# KiCad board main_display_board.kicad_pcb (continued)
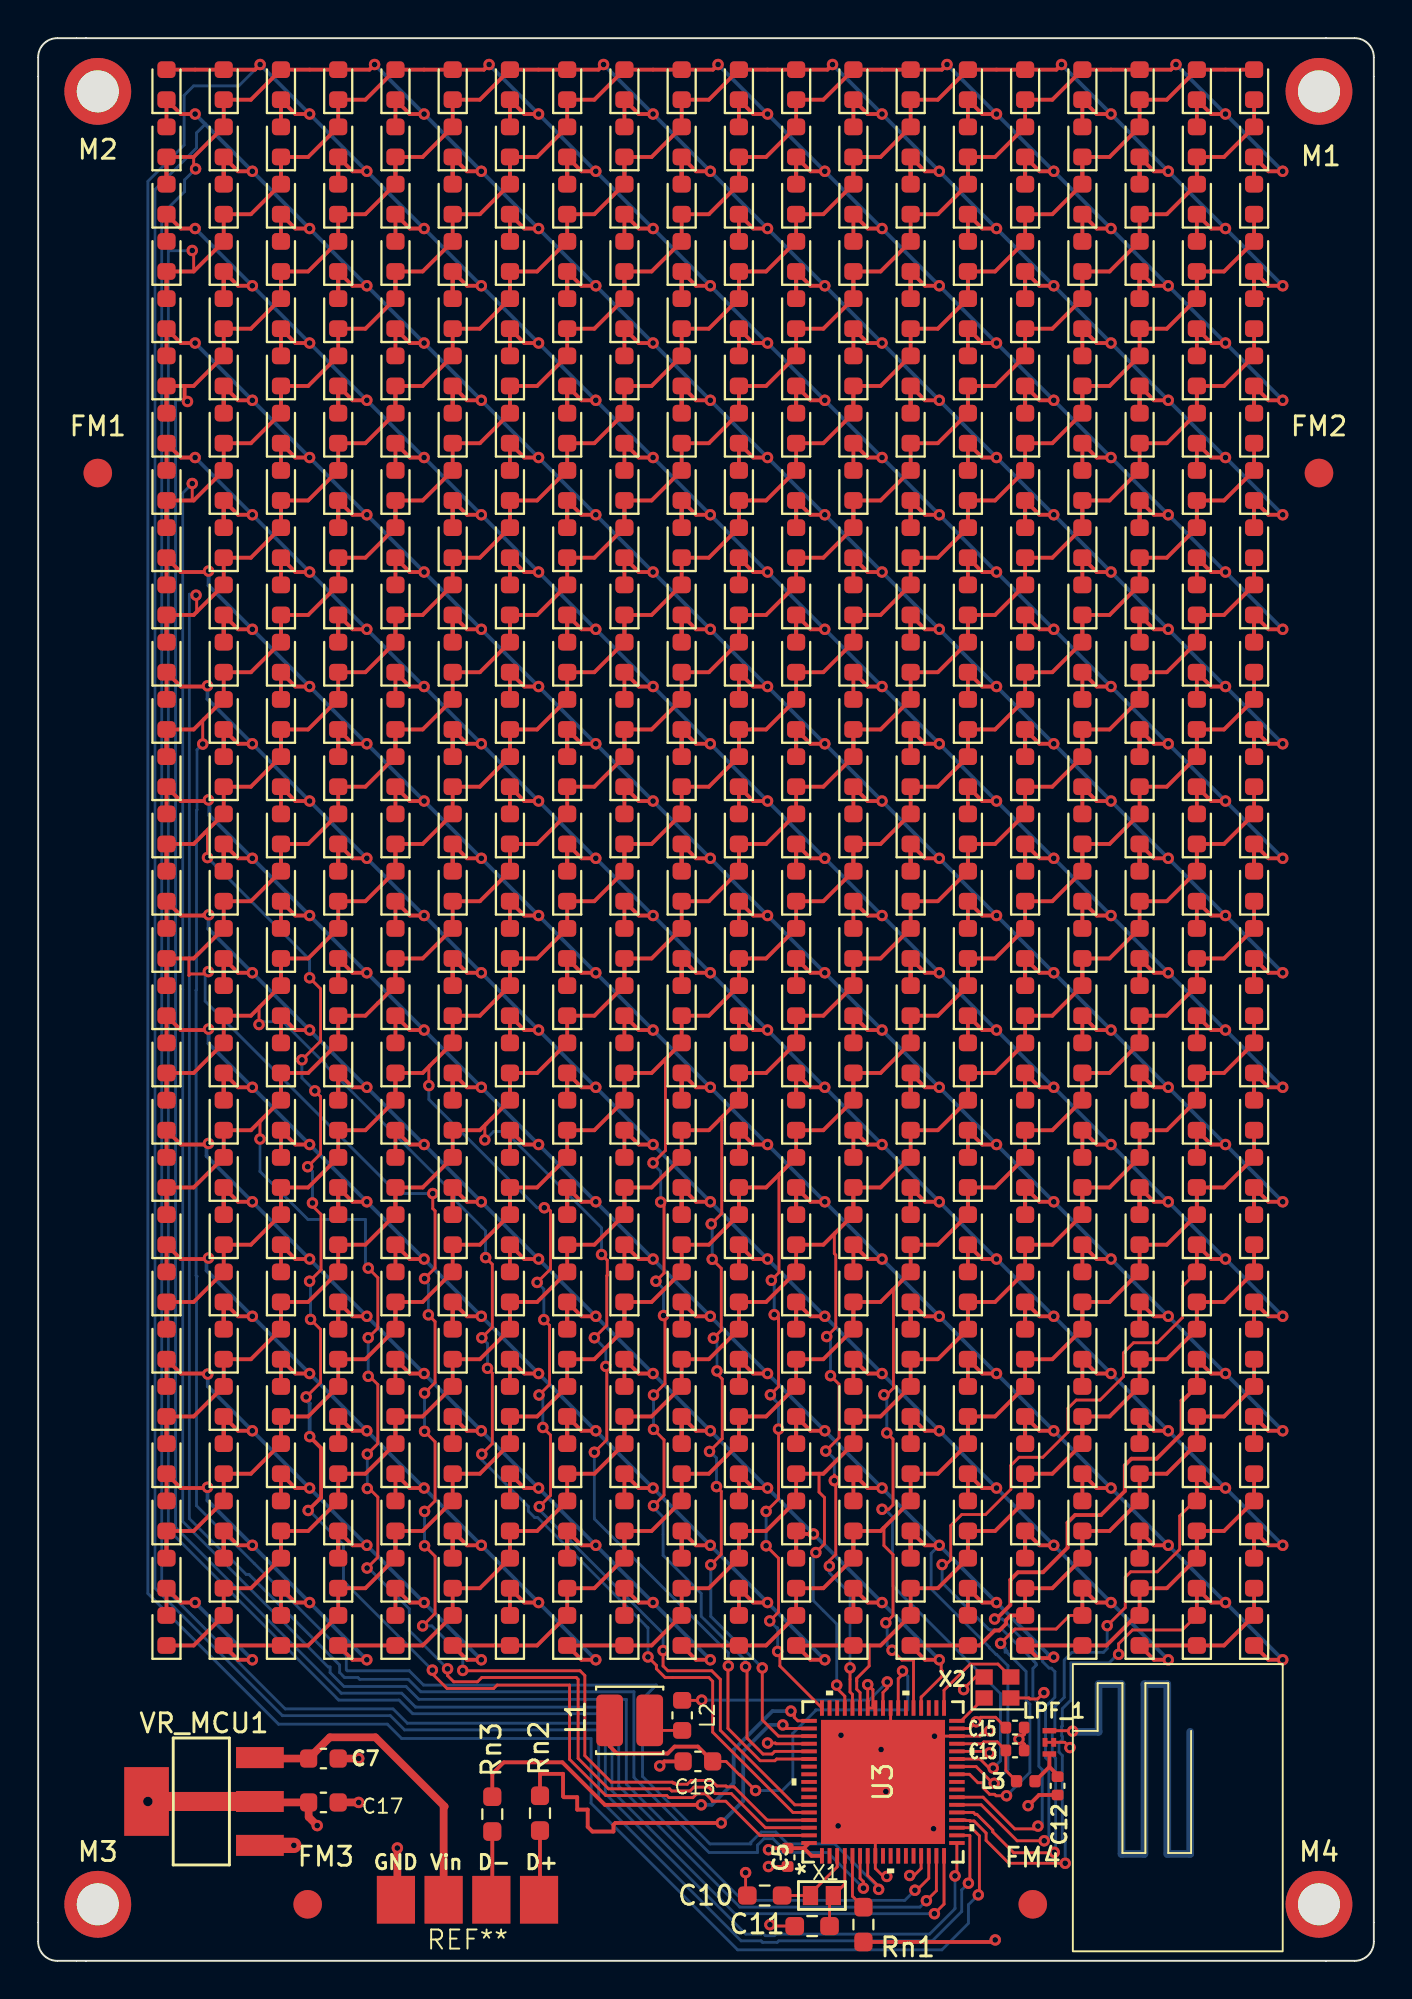
[diagram p0: board, top side]
## Routing (per net, layer and track width the routed paths; a pad name or vN(x,y) marks a point on that pad's centre or on a via; arc(x,y) is an arc through that point) (continued)
  Bottom w0.15: v1(35.32,36.76) 35.32,38.56 v1(35.27,38.61) ; v1(35.57,30.91) 35.57,32.41 35.37,32.61 ; v1(35.25,20.75) 35.25,18.05 v1(37.95,15.35) ; v1(35.55,24.85) 35.55,26.35 35.25,26.65
LED_12: length 155.3
  Top w0.15: 32.86,47.23 32.87,47.21 32.87,42.46 v1(32.23,41.81) ; v1(32.77,33.81) 32.85,33.74 32.85,30.25 v1(32.25,29.65) ; v1(32.25,27.85) 32.8,27.3 32.8,24.4 v1(32.25,23.85) ; v1(37.07,15.41) 37.15,15.34 37.15,11.67 37.99,10.84 38.46,10.84 38.6,10.97 U3.56 ; v1(32.37,35.61) 32.8,36.04 32.8,39.59 v1(32.62,39.76) 32.57,39.81
  Top w0.2: REF**199.2 60.73,76.56 ; REF**199.2 REF**157.1 62.15,76.53 REF**158.2 REF**160.1 ; REF**199.2 59.15,73.53 REF**196.1 REF**194.2 56.15,70.53 REF**193.1 REF**235.2 ; REF**307.2 41.15,55.53 REF**304.1 REF**302.2 38.15,52.53 REF**301.1 REF**343.2 ; REF**307.2 REF**265.1 44.15,58.53 REF**266.2 REF**268.1 47.15,61.53 REF**271.2 ; REF**307.2 42.73,58.56 ; REF**415.2 24.73,40.56 ; REF**415.2 REF**373.1 26.15,40.53 REF**374.2 REF**376.1 29.15,43.53 REF**379.2 ; REF**415.2 23.15,37.53 REF**412.1 REF**410.2 20.15,34.53 REF**409.1 REF**451.2 ; REF**343.2 35.15,49.53 REF**340.1 REF**338.2 32.15,46.53 REF**337.1 REF**379.2 ; REF**343.2 36.73,52.56 ; REF**271.2 REF**229.1 50.15,64.53 REF**230.2 REF**232.1 53.15,67.53 REF**235.2 ; REF**271.2 48.73,64.56 ; 6.73,22.56 REF**523.2 REF**481.1 8.15,22.53 REF**482.2 REF**484.1 11.15,25.53 REF**487.2 ; REF**451.2 18.73,34.56 ; REF**451.2 17.15,31.53 REF**448.1 REF**446.2 14.15,28.53 REF**445.1 REF**487.2 ; REF**235.2 54.73,70.56 ; REF**379.2 30.73,46.56 ; REF**487.2 12.73,28.56
  Bottom w0.15: v1(32.77,33.81) 32.77,35.21 v1(32.37,35.61) ; 32.25,23.75 32.75,23.25 32.75,21.25 34.75,19.25 34.75,18.05 37.07,15.73 v1(37.07,15.41) ; v1(32.25,27.85) v1(32.25,29.65) ; v1(32.62,39.76) 32.62,41.36 32.18,41.81
LED_13: length 156.8
  Top w0.15: 40.4,10.58 38.7,10.58 38.61,10.49 37.84,10.49 36.15,12.18 36.15,15.45 ; v1(29.15,32.65) 29.8,33.3 29.8,35.9 29.82,35.92 29.82,36.71 v1(29.52,37.01) ; v1(23.41,43.02) 23.41,43.78 23.48,43.86 ; v1(29.75,31.15) 29.8,31.1 29.8,27.3 v1(29.15,26.65)
  Top w0.2: REF**447.2 12.73,34.56 ; REF**447.2 11.15,31.53 REF**444.1 REF**442.2 8.15,28.53 REF**441.1 REF**483.2 6.73,28.56 ; REF**447.2 REF**405.1 14.15,34.53 REF**406.2 REF**408.1 17.15,37.53 REF**411.2 ; REF**120.1 REF**118.2 62.15,82.53 REF**117.1 REF**159.2 ; REF**195.2 53.15,73.53 REF**192.1 REF**190.2 50.15,70.53 REF**189.1 REF**231.2 ; REF**195.2 54.73,76.56 ; REF**195.2 REF**153.1 56.15,76.53 REF**154.2 REF**156.1 59.15,79.53 REF**159.2 ; REF**375.2 24.73,46.56 ; REF**375.2 REF**333.1 26.15,46.53 REF**334.2 REF**336.1 29.15,49.53 REF**339.2 ; REF**375.2 23.15,43.53 REF**372.1 REF**370.2 20.15,40.53 REF**369.1 REF**411.2 ; REF**339.2 30.73,52.56 ; REF**339.2 REF**297.1 32.15,52.53 REF**298.2 REF**300.1 35.15,55.53 REF**303.2 ; REF**303.2 REF**261.1 38.15,58.53 REF**262.2 REF**264.1 41.15,61.53 REF**267.2 ; REF**303.2 36.73,58.56 ; REF**267.2 42.73,64.56 ; REF**267.2 REF**225.1 44.15,64.53 REF**226.2 REF**228.1 47.15,67.53 REF**231.2 ; REF**411.2 18.73,40.56 ; REF**231.2 48.73,70.56 ; REF**159.2 60.73,82.56
  Bottom w0.15: v1(29.15,26.65) 29.15,23.16 36.17,16.14 v1(36.17,15.45) ; v1(29.15,32.65) 29.75,32.05 v1(29.75,31.15) ; v1(29.52,37.01) 29.52,38.41 24.48,43.46 23.87,43.46 23.43,43.01
LED_14: length 150.9
  Top w0.15: U3.38 46.27,13.82 46.28,13.82 47.37,14.91 47.37,15.2 47.32,15.2 47.32,15.68 v1(47.23,15.78) 47.07,15.62
  Top w0.2: v1(26.23,36.78) 25.48,36.78 REF**415.1 REF**413.2 ; REF**519.2 59.15,25.53 REF**516.1 REF**514.2 56.15,22.53 REF**513.1 REF**555.2 ; REF**519.2 REF**477.1 62.15,28.53 REF**478.2 REF**480.1 ; REF**519.2 60.73,28.56 ; REF**368.2 15.73,46.56 REF**368.2 ; REF**368.2 REF**326.1 16.48,45.78 v1(17.23,45.78) ; REF**500.2 33.73,28.56 REF**500.2 ; REF**500.2 REF**458.1 34.48,27.78 v1(35.23,27.78) ; REF**555.2 54.73,22.56 ; REF**555.2 53.15,19.53 REF**552.1 REF**550.2 50.97,18.1 50.73,17.86 50.73,17.66 50.37,17.31 50.12,17.31 49.34,16.53 REF**549.1 REF**546.1 46.48,15.78 v1(47.23,15.78) ; REF**457.2 REF**459.1 31.48,30.78 v1(32.23,30.78) ; v1(23.23,39.78) 22.48,39.78 REF**370.1 REF**412.2 ; REF**281.2 REF**283.1 7.48,54.78 8.65,54.78 8.69,54.81 v1(8.94,54.81) ; REF**412.2 21.73,40.56 REF**412.2 ; v1(20.23,42.78) 19.48,42.78 REF**371.1 REF**369.2 ; REF**544.2 REF**502.1 39.88,22.37 v1(40.63,22.37) ; REF**544.2 39.73,22.56 REF**544.2 ; REF**324.2 9.73,52.56 REF**324.2 ; REF**324.2 REF**282.1 10.48,51.78 v1(11.23,51.78) ; v1(44.23,18.78) 43.48,18.78 REF**547.1 REF**545.2 ; v1(29.23,33.78) 28.48,33.78 REF**414.1 REF**456.2 ; v1(14.23,48.78) 13.48,48.78 REF**327.1 REF**325.2 ; REF**501.2 REF**503.1 37.48,24.78 v1(38.23,24.78) ; REF**456.2 27.73,34.56 REF**456.2
  Bottom w0.2: v1(47.23,15.78) v1(44.23,18.78) v1(40.63,22.37) v1(38.23,24.78) v1(35.23,27.78) v1(32.23,30.78) v1(29.23,33.78) v1(26.23,36.78) v1(23.23,39.78) v1(20.23,42.78) v1(17.23,45.78) v1(14.23,48.78) v1(11.23,51.78) 8.92,54.08 8.92,54.8 v1(8.94,54.81)
LED_15: length 146.7
  Top w0.15: v1(44.75,16.28) 45.26,15.76 45.87,15.76 U3.39 ; v1(44.43,17.71) 44.8,18.09 44.8,21.29 44.32,21.76 44.32,22.66 44.31,22.68
  Top w0.2: REF**404.2 9.73,40.56 REF**404.2 ; REF**404.2 REF**362.1 10.48,39.78 v1(11.23,39.78) ; REF**439.2 60.73,40.56 ; REF**439.2 59.15,37.53 REF**436.1 REF**434.2 56.15,34.53 REF**433.1 REF**475.2 ; REF**439.2 REF**397.1 62.15,40.53 REF**398.2 REF**400.1 ; REF**448.2 15.73,34.56 REF**448.2 ; REF**448.2 REF**406.1 16.48,33.78 v1(17.23,33.78) ; REF**536.2 REF**494.1 28.48,21.78 v1(29.23,21.78) ; REF**536.2 27.73,22.56 REF**536.2 ; REF**511.2 48.73,28.56 ; REF**511.2 REF**469.1 50.15,28.53 REF**470.2 REF**472.1 53.15,31.53 REF**475.2 ; REF**511.2 47.15,25.53 REF**508.1 REF**506.2 44.15,22.53 REF**505.1 REF**547.2 ; REF**547.2 41.15,19.53 REF**544.1 REF**542.2 38.15,16.53 REF**541.1 REF**538.1 34.48,15.78 v1(35.23,15.78) ; REF**547.2 42.73,22.56 ; REF**361.2 REF**363.1 7.48,42.78 8.79,42.78 8.84,42.83 v1(8.92,42.83) ; REF**475.2 54.73,34.56 ; v1(14.23,36.78) 13.48,36.78 REF**407.1 REF**405.2 ; v1(23.23,27.78) 22.48,27.78 REF**450.1 REF**492.2 ; v1(26.23,24.78) 25.48,24.78 REF**495.1 REF**493.2 ; REF**537.2 REF**539.1 31.48,18.78 v1(32.23,18.78) ; v1(20.23,30.78) 19.48,30.78 REF**451.1 REF**449.2 ; REF**492.2 21.73,28.56 REF**492.2
  Bottom w0.15: v1(44.75,16.28) 44.49,16.53 44.49,17.64 v1(44.43,17.71)
  Bottom w0.2: v1(35.23,15.78) v1(32.23,18.78) v1(29.23,21.78) v1(26.23,24.78) v1(23.23,27.78) v1(20.23,30.78) v1(17.23,33.78) v1(14.23,36.78) v1(11.23,39.78) 8.82,42.18 8.82,42.73 v1(8.92,42.83)
LED_16: length 178.7
  Top w0.15: v1(50.44,16.63) 51.19,17.39 53.35,17.39 54.06,18.1 REF**553.2 ; v1(50.75,8.65) 50.2,8.65 50.12,8.73 49.86,8.73 49.53,9.06 49.53,9.31 49.51,9.33 49.25,9.33 48.81,9.77 U3.27
  Top w0.2: REF**420.2 33.73,40.56 REF**420.2 ; REF**420.2 REF**378.1 34.48,39.78 v1(35.23,39.78) ; v1(23.23,51.78) 22.48,51.78 REF**290.1 REF**332.2 ; v1(26.23,48.78) 25.48,48.78 REF**335.1 REF**333.2 ; v1(41.23,33.78) 40.48,33.78 REF**422.1 REF**464.2 ; REF**509.2 REF**511.1 49.48,24.78 v1(50.23,24.78) ; REF**508.2 REF**466.1 46.48,27.78 v1(47.23,27.78) ; REF**508.2 45.73,28.56 REF**508.2 ; REF**288.2 15.73,58.56 REF**288.2 ; REF**288.2 REF**246.1 16.48,57.78 v1(17.23,57.78) ; REF**552.2 51.73,22.56 REF**552.2 ; REF**552.2 REF**510.1 52.48,21.78 v1(53.23,21.78) ; REF**9998.1 REF**9997.2 62.15,16.53 REF**9995.1 REF**554.1 58.48,15.78 v1(59.23,15.78) ; REF**332.2 21.73,52.56 REF**332.2 ; REF**553.2 REF**555.1 55.48,18.78 v1(56.23,18.78) ; v1(20.23,54.78) 19.48,54.78 REF**291.1 REF**289.2 ; REF**464.2 39.73,34.56 REF**464.2 ; REF**377.2 REF**379.1 31.48,42.78 v1(32.23,42.78) ; v1(38.23,36.78) 37.48,36.78 REF**423.1 REF**421.2 ; v1(44.23,30.78) 43.48,30.78 REF**467.1 REF**465.2 ; v1(14.23,60.78) 13.48,60.78 REF**247.1 REF**245.2 ; REF**376.2 27.73,46.56 REF**376.2 ; REF**376.2 REF**334.1 28.48,45.78 v1(29.23,45.78) ; REF**244.2 REF**202.1 10.48,63.78 v1(11.23,63.78) ; REF**244.2 9.73,64.56 REF**244.2 ; v1(8.88,66.81) 8.84,66.78 7.48,66.78 REF**203.1 REF**201.2
  Bottom w0.15: v1(50.75,8.65) 51.98,9.88 51.98,13.46 51.77,13.66 51.77,15.16 50.77,16.16 50.77,16.24 50.57,16.44 50.57,16.51 v1(50.44,16.63) 50.68,16.4 50.68,16.16
  Bottom w0.2: v1(59.23,15.78) v1(56.23,18.78) v1(53.23,21.78) v1(50.23,24.78) v1(47.23,27.78) v1(44.23,30.78) v1(41.23,33.78) v1(38.23,36.78) v1(35.23,39.78) v1(32.23,42.78) v1(29.23,45.78) v1(26.23,48.78) v1(23.23,51.78) v1(20.23,54.78) v1(17.23,57.78) v1(14.23,60.78) v1(11.23,63.78) 8.88,66.12 v1(8.88,66.81)
LED_17: length 163.5
  Top w0.15: 20.53,46.91 20.48,46.85 v1(20.48,45.86) ; v1(26.27,23.8) 26.85,24.39 26.85,27.55 v1(26.45,27.95) ; 26.52,39.41 26.73,39.41 26.85,39.29 26.85,36.25 v1(26.15,35.55) ; v1(26.25,29.65) 26.8,30.2 26.8,33.3 v1(26.5,33.6) 26.45,33.65 ; U3.63 39.66,8.18 35.75,12.08 35.75,14.75 35.3,15.2 33,15.2 32.75,15.45 v1(32.75,16.26) 32.66,16.26
  Top w0.2: REF**227.2 41.15,67.53 REF**224.1 REF**222.2 38.15,64.53 REF**221.1 REF**263.2 ; REF**227.2 42.73,70.56 ; REF**227.2 REF**185.1 44.15,70.53 REF**186.2 REF**188.1 47.15,73.53 REF**191.2 ; REF**119.2 59.15,85.53 REF**116.1 REF**114.2 56.15,82.53 REF**113.1 REF**155.2 ; REF**119.2 REF**77.1 62.15,88.53 REF**78.2 REF**80.1 ; REF**119.2 60.73,88.56 ; REF**335.2 24.73,52.56 ; REF**335.2 23.15,49.53 REF**332.1 REF**330.2 20.15,46.53 REF**329.1 REF**371.2 ; REF**335.2 REF**293.1 26.15,52.53 REF**294.2 REF**296.1 29.15,55.53 REF**299.2 ; 6.73,34.56 REF**443.2 REF**401.1 8.15,34.53 REF**402.2 REF**404.1 11.15,37.53 REF**407.2 ; REF**407.2 REF**365.1 14.15,40.53 REF**366.2 REF**368.1 17.15,43.53 REF**371.2 ; REF**407.2 12.73,40.56 ; REF**191.2 REF**149.1 50.15,76.53 REF**150.2 REF**152.1 53.15,79.53 REF**155.2 ; REF**191.2 48.73,76.56 ; REF**371.2 18.73,46.56 ; REF**299.2 REF**257.1 32.15,58.53 REF**258.2 REF**260.1 35.15,61.53 REF**263.2 ; REF**299.2 30.73,58.56 ; REF**155.2 54.73,82.56 ; REF**263.2 36.73,64.56
  Bottom w0.15: 26.05,35.65 v1(26.15,35.55) 26.5,35.2 v1(26.5,33.6) ; v1(26.25,29.65) 26.45,29.45 v1(26.45,27.95) ; v1(32.75,16.26) 32.75,17.15 26.35,23.55 26.35,23.75 26.25,23.85 ; v1(20.48,45.86) 20.48,45.14 26.15,39.46 v1(26.52,39.46)
LED_18: length 165.5
  Top w0.15: 11.61,49.98 11.57,49.95 v1(11.57,49.06) ; v1(23.25,26.55) 23.8,27.1 23.8,30.8 v1(23.55,31.05) ; v1(31.96,15.93) 32.4,15.48 32.4,15.3 32.86,14.85 35.15,14.85 35.35,14.65 35.35,11.98 39.56,7.78 U3.64 ; v1(23.25,32.65) 23.8,33.2 23.8,36.5 v1(23.45,36.85)
  Top w0.2: REF**219.2 30.73,70.56 ; REF**219.2 29.15,67.53 REF**216.1 REF**214.2 26.15,64.53 REF**213.1 REF**255.2 ; REF**219.2 REF**177.1 32.15,70.53 REF**178.2 REF**180.1 35.15,73.53 REF**183.2 ; REF**75.2 54.73,94.56 ; REF**75.2 53.15,91.53 REF**72.1 REF**70.2 50.15,88.53 REF**69.1 REF**111.2 ; REF**75.2 REF**33.1 56.15,94.53 REF**34.2 REF**36.1 59.15,97.53 REF**39.2 REF**40.2 ; REF**291.2 REF**249.1 20.15,58.53 REF**250.2 REF**252.1 23.15,61.53 REF**255.2 ; REF**291.2 18.73,58.56 ; REF**291.2 17.15,55.53 REF**288.1 REF**286.2 14.15,52.53 REF**285.1 REF**327.2 ; REF**255.2 24.73,64.56 ; REF**183.2 36.73,76.56 ; REF**183.2 REF**141.1 38.15,76.53 REF**142.2 REF**144.1 41.15,79.53 REF**147.2 ; REF**111.2 47.15,85.53 REF**108.1 REF**106.2 44.15,82.53 REF**105.1 REF**147.2 ; REF**111.2 48.73,88.56 ; REF**147.2 42.73,82.56 ; REF**327.2 12.73,52.56 ; REF**327.2 11.15,49.53 REF**324.1 REF**322.2 8.15,46.53 REF**321.1 REF**363.2 6.73,46.56
  Bottom w0.15: v1(23.55,31.05) 23.55,32.35 v1(23.25,32.65) ; v1(23.25,26.55) 23.25,26.25 25.69,23.81 25.69,23.56 26.03,23.23 26.18,23.23 31.95,17.45 31.95,17.45 31.96,17.44 v1(31.96,15.93) ; v1(23.45,36.85) 23.45,38.25 21.82,39.88 21.82,40.16 15.07,46.91 15.07,46.96 12.82,49.21 11.77,49.21 11.62,49.06 v1(11.57,49.06)
LED_19: length 186.8
  Top w0.15: v1(20.25,27.75) 20.8,27.2 20.8,24.1 v1(20.25,23.55) ; v1(22.25,15.22) 22.27,15.2 28.4,15.2 28.65,14.95 28.65,10.75 30.04,9.36 33.24,9.36 33.29,9.31 33.36,9.31 33.42,9.25 34.02,9.25 34.22,9.45 35.28,9.45 35.57,9.16 36.05,9.16 36.1,9.11 36.47,9.11 38.21,7.38 U3.65 ; v1(20.68,40.21) 20.68,39.42 20.8,39.3 20.8,36.3 v1(20.25,35.75) ; v1(20.25,21.75) 20.8,21.2 20.8,18.2 v1(20.15,17.55) ; v1(8.92,51.84) 8.79,51.71 7.98,51.71 7.9,51.64 7.9,52.5 7.92,52.53 ; v1(20.25,29.75) 20.8,30.3 20.8,33.5 v1(20.45,33.85)
  Top w0.2: REF**107.2 REF**65.1 44.15,88.53 REF**66.2 REF**68.1 47.15,91.53 REF**71.2 ; REF**107.2 42.73,88.56 ; REF**107.2 41.15,85.53 REF**104.1 REF**102.2 38.15,82.53 REF**101.1 REF**143.2 ; v1(59.63,99.37) 59.36,99.1 REF**36.2 REF**35.2 53.15,97.53 REF**32.1 REF**30.2 50.15,94.53 REF**29.1 REF**71.2 ; REF**287.2 REF**245.1 14.15,58.53 REF**246.2 REF**248.1 17.15,61.53 REF**251.2 ; REF**287.2 11.15,55.53 REF**284.1 REF**282.2 8.15,52.53 REF**281.1 REF**323.2 6.73,52.56 ; REF**287.2 12.73,58.56 ; REF**143.2 36.73,82.56 ; REF**143.2 35.15,79.53 REF**140.1 REF**138.2 32.15,76.53 REF**137.1 REF**179.2 ; REF**251.2 18.73,64.56 ; REF**251.2 REF**209.1 20.15,64.53 REF**210.2 REF**212.1 23.15,67.53 REF**215.2 ; REF**37.2 REF**39.1 61.48,96.78 v1(62.23,96.78) ; REF**215.2 REF**173.1 26.15,70.53 REF**174.2 REF**176.1 29.15,73.53 REF**179.2 ; REF**215.2 24.73,70.56 ; REF**179.2 30.73,76.56 ; REF**71.2 48.73,94.56 ; REF**80.2 63.73,94.56 REF**80.2 ; REF**80.2 REF**38.1 64.47,93.78 v1(65.22,93.78)
  Bottom w0.15: v1(20.25,27.75) v1(20.25,29.75) ; v1(20.45,33.85) 20.45,35.45 20.35,35.55 20.35,35.65 v1(20.25,35.75) ; v1(20.15,17.55) 20.64,17.55 22.25,15.93 v1(22.25,15.22) ; v1(20.25,21.75) v1(20.25,23.55) ; v1(8.92,51.84) 8.75,51.67 8.75,50.29 18.83,40.21 v1(20.68,40.21)
  Bottom w0.2: v1(65.22,93.78) v1(62.23,96.78) v1(59.63,99.37)
LED_20: length 173.9
  Top w0.15: v1(17.24,20.58) 17.8,21.15 17.8,24.3 17.35,24.75 ; v1(11.62,43.06) 11.62,44 11.66,44.03 ; v1(17.25,26.55) 17.8,27.1 17.8,30.2 17.35,30.65 ; U3.66 38.11,6.97 36.33,8.76 35.47,8.76 35.13,9.1 34.37,9.1 34.17,8.9 33.2,8.9 33.09,9.01 29.89,9.01 28.3,10.6 28.3,14.75 28.2,14.85 23.25,14.85 23.02,14.62 21.78,14.62 21.46,14.94 v1(21.46,15.3) ; v1(17.3,32.65) 17.8,33.15 17.8,35.8 v1(17.3,36.3) 17.25,36.35
  Top w0.2: REF**223.2 36.73,70.56 ; REF**223.2 REF**181.1 38.15,70.53 REF**182.2 REF**184.1 41.15,73.53 REF**187.2 ; REF**223.2 35.15,67.53 REF**220.1 REF**218.2 32.15,64.53 REF**217.1 REF**259.2 ; REF**187.2 REF**145.1 44.15,76.53 REF**146.2 REF**148.1 47.15,79.53 REF**151.2 ; REF**187.2 42.73,76.56 ; REF**151.2 48.73,82.56 ; REF**151.2 REF**109.1 50.15,82.53 REF**110.2 REF**112.1 53.15,85.53 REF**115.2 ; REF**331.2 18.73,52.56 ; REF**331.2 REF**289.1 20.15,52.53 REF**290.2 REF**292.1 23.15,55.53 REF**295.2 ; REF**331.2 17.15,49.53 REF**328.1 REF**326.2 14.15,46.53 REF**325.1 REF**367.2 ; REF**79.2 59.15,91.53 REF**76.1 REF**74.2 56.15,88.53 REF**73.1 REF**115.2 ; REF**79.2 60.73,94.56 ; REF**79.2 REF**37.1 62.15,94.53 REF**38.2 REF**40.1 ; REF**295.2 REF**253.1 26.15,58.53 REF**254.2 REF**256.1 29.15,61.53 REF**259.2 ; REF**295.2 24.73,58.56 ; REF**259.2 30.73,64.56 ; REF**367.2 11.15,43.53 REF**364.1 REF**362.2 8.15,40.53 REF**361.1 REF**403.2 6.73,40.56 ; REF**367.2 12.73,46.56 ; REF**115.2 54.73,88.56
  Bottom w0.15: 17.25,20.55 17.35,20.55 19.45,18.45 19.45,17.31 v1(21.46,15.3) ; v1(11.62,43.06) 11.62,41.36 14.14,38.85 17.15,38.85 17.15,36.45 v1(17.3,36.3) ; 17.3,32.7 v1(17.3,32.65) v1(17.3,30.63) ; v1(17.25,24.75) v1(17.25,26.55)
LED_21: length 200.2
  Top w0.15: U3.67 37.82,6.58 36.04,8.36 35.33,8.36 35.33,8.41 34.99,8.75 34.51,8.75 34.31,8.55 33.06,8.55 32.94,8.66 29.74,8.66 27.85,10.56 27.85,14.45 24.05,14.45 23.87,14.27 21.43,14.27 20.68,15.02 20.68,15.21 v1(20.66,15.23) ; v1(14.12,41.61) 14.8,42.29 14.8,45.29 v1(14.5,45.59) 14.48,45.61 ; 64.21,87.1 REF**120.2 ; v1(14.23,35.61) 14.82,36.21 14.82,39.11 14.38,39.56 v1(14.38,39.71) ; v1(8.88,57.81) 8.88,59.25 8.91,59.28 ; v1(14.27,33.61) 14.8,33.09 14.8,30.3 v1(14.05,29.55) ; v1(14.23,51.51) 14.8,50.94 14.8,48.19 v1(13.82,47.21)
  Top w0.2: REF**139.2 30.73,82.56 ; REF**139.2 29.15,79.53 REF**136.1 REF**134.2 26.15,76.53 REF**133.1 REF**175.2 ; REF**139.2 REF**97.1 32.15,82.53 REF**98.2 REF**100.1 35.15,85.53 REF**103.2 ; REF**120.2 63.73,88.56 REF**120.2 ; REF**120.2 REF**78.1 64.47,87.78 v1(65.22,87.78) ; REF**120.2 63.74,87.11 ; REF**67.2 42.73,94.56 ; REF**67.2 REF**25.1 44.15,94.53 REF**26.2 REF**28.1 47.15,97.53 REF**31.2 REF**32.2 53.36,99.1 v1(53.63,99.37) ; REF**67.2 41.15,91.53 REF**64.1 REF**62.2 38.15,88.53 REF**61.1 REF**103.2 ; v1(56.23,96.78) 55.48,96.78 REF**35.1 REF**33.2 ; REF**76.2 REF**34.1 58.48,93.78 v1(59.23,93.78) ; REF**76.2 57.73,94.56 REF**76.2 ; REF**103.2 36.73,88.56 ; REF**211.2 18.73,70.56 ; REF**211.2 17.15,67.53 REF**208.1 REF**206.2 14.15,64.53 REF**205.1 REF**247.2 ; REF**211.2 REF**169.1 20.15,70.53 REF**170.2 REF**172.1 23.15,73.53 REF**175.2 ; REF**175.2 24.73,76.56 ; REF**247.2 12.73,64.56 ; REF**247.2 11.15,61.53 REF**244.1 REF**242.2 8.15,58.53 REF**241.1 REF**283.2 6.73,58.56 ; v1(62.23,90.78) 61.48,90.78 REF**79.1 REF**77.2 ; v1(14.15,23.6) 14.83,24.28 14.83,26.87 v1(14.23,27.47) 14.2,27.5
  Bottom w0.15: v1(13.82,47.21) 13.82,46.26 v1(14.5,45.59) ; v1(20.66,15.23) 16,19.89 16,21.8 14.2,23.6 ; v1(14.23,51.51) 14.23,52.46 v1(8.88,57.81) ; v1(14.38,39.71) 14.38,41.36 v1(14.12,41.61) ; v1(14.23,35.61) 14.27,35.56 v1(14.27,33.61)
  Bottom w0.2: v1(53.63,99.37) v1(56.23,96.78) v1(59.23,93.78) v1(62.23,90.78) v1(65.22,87.78) ; v1(14.23,27.47) 14.23,29.21 13.92,29.51
LED_22: length 232.8
  Top w0.15: v1(43.25,3.81) 43.25,4.15 43.07,4.33 U3.6 ; 8.31,70.68 8.31,71.53 v1(8.27,71.56)
  Top w0.2: REF**200.2 63.73,76.56 REF**200.2 ; REF**200.2 REF**158.1 64.47,75.78 v1(65.22,75.78) ; REF**131.2 18.73,82.56 ; REF**131.2 REF**89.1 20.15,82.53 REF**90.2 REF**92.1 23.15,85.53 REF**95.2 ; REF**131.2 17.15,79.53 REF**128.1 REF**126.2 14.15,76.53 REF**125.1 REF**167.2 ; REF**112.2 51.73,88.56 REF**112.2 ; REF**112.2 REF**70.1 52.48,87.78 v1(53.23,87.78) ; REF**113.2 REF**115.1 55.48,84.78 v1(56.23,84.78) ; v1(50.23,90.78) 49.48,90.78 REF**71.1 REF**69.2 ; REF**167.2 12.73,76.56 ; REF**167.2 11.15,73.53 REF**164.1 REF**162.2 8.15,70.53 REF**161.1 REF**203.2 6.73,70.56 ; REF**59.2 29.15,91.53 REF**56.1 REF**54.2 26.15,88.53 REF**53.1 REF**95.2 ; REF**59.2 REF**17.1 32.15,94.53 REF**18.2 REF**20.1 35.15,97.53 REF**23.2 REF**24.2 41.36,99.1 v1(41.63,99.37) ; REF**59.2 30.73,94.56 ; REF**95.2 24.73,88.56 ; REF**156.2 REF**114.1 58.48,81.78 v1(59.23,81.78) ; REF**156.2 57.73,82.56 REF**156.2 ; REF**68.2 REF**26.1 46.48,93.78 v1(47.23,93.78) ; REF**68.2 45.73,94.56 REF**68.2 ; REF**157.2 REF**159.1 61.48,78.78 v1(62.23,78.78) ; v1(44.23,96.78) 43.48,96.78 REF**27.1 REF**25.2
  Bottom w0.15: 8.27,71.61 7.92,71.61 7.92,23.17 9.7,21.4 9.75,21.4 10.9,20.25 11.05,20.25 15.8,15.5 15.8,15.1 16.06,14.85 16.75,14.85 16.85,14.75 19.4,14.75 20.05,14.1 31.23,14.1 31.23,9.61 35.16,5.68 37.7,5.68 37.7,6.06 38.04,6.4 38.51,6.4 38.85,6.06 38.85,5.68 41.38,5.68 v1(43.25,3.81)
  Bottom w0.2: v1(65.22,75.78) v1(62.23,78.78) v1(59.23,81.78) v1(56.23,84.78) v1(53.23,87.78) v1(50.23,90.78) v1(47.23,93.78) v1(44.23,96.78) v1(41.63,99.37)
LED_23: length 220.2
  Top w0.15: 8.68,65.06 8.62,65 v1(8.62,63.76) ; v1(44.05,3.75) 44.05,3.9 43.47,4.48 U3.7
  Top w0.2: REF**72.2 51.73,94.56 REF**72.2 ; REF**72.2 REF**30.1 52.48,93.78 v1(53.23,93.78) ; REF**117.2 REF**119.1 61.48,84.78 v1(62.23,84.78) ; REF**63.2 REF**21.1 38.15,94.53 REF**22.2 REF**24.1 41.15,97.53 REF**27.2 REF**28.2 47.36,99.1 v1(47.63,99.37) ; REF**63.2 35.15,91.53 REF**60.1 REF**58.2 32.15,88.53 REF**57.1 REF**99.2 ; REF**63.2 36.73,94.56 ; REF**99.2 30.73,88.56 ; REF**99.2 29.15,85.53 REF**96.1 REF**94.2 26.15,82.53 REF**93.1 REF**135.2 ; REF**116.2 57.73,88.56 REF**116.2 ; REF**116.2 REF**74.1 58.48,87.78 v1(59.23,87.78) ; REF**135.2 23.15,79.53 REF**132.1 REF**130.2 20.15,76.53 REF**129.1 REF**171.2 ; REF**135.2 24.73,82.56 ; v1(50.23,96.78) 49.48,96.78 REF**31.1 REF**29.2 ; REF**160.2 63.73,82.56 REF**160.2 ; REF**160.2 REF**118.1 64.47,81.78 v1(65.22,81.78) ; REF**207.2 REF**165.1 14.15,70.53 REF**166.2 REF**168.1 17.15,73.53 REF**171.2 ; REF**207.2 12.73,70.56 ; REF**207.2 11.15,67.53 REF**204.1 REF**202.2 8.15,64.53 REF**201.1 REF**243.2 6.73,64.56 ; REF**73.2 REF**75.1 55.48,90.78 v1(56.23,90.78) ; REF**171.2 18.73,76.56
  Bottom w0.15: v1(8.62,63.76) 8.32,63.46 8.32,60.31 8.3,60.29 8.3,50.89 8.27,50.86 8.28,50.86 8.28,35.91 8.32,35.86 8.3,35.84 8.3,23.85 16.15,16 16.15,15.25 16.2,15.2 19.45,15.2 20.2,14.45 32.4,14.45 31.68,13.73 31.68,9.66 35.21,6.12 37.35,6.12 37.35,6.21 37.89,6.75 38.66,6.75 39.2,6.21 39.2,6.12 41.75,6.12 44.05,3.83 v1(44.05,3.75)
  Bottom w0.2: v1(65.22,81.78) v1(62.23,84.78) v1(59.23,87.78) v1(56.23,90.78) v1(53.23,93.78) v1(50.23,96.78) v1(47.63,99.37)
LED_24: length 171.6
  Top w0.15: U3.28 49.16,10.18 50.03,9.3 v1(50.1,9.3)
  Top w0.2: v1(29.23,39.78) 28.48,39.78 REF**374.1 REF**416.2 ; REF**372.2 REF**330.1 22.48,45.78 v1(23.23,45.78) ; REF**372.2 21.73,46.56 REF**372.2 ; REF**284.2 9.73,58.56 REF**284.2 ; REF**284.2 REF**242.1 10.48,57.78 v1(11.23,57.78) ; v1(32.23,36.78) 31.48,36.78 REF**419.1 REF**417.2 ; REF**373.2 REF**375.1 25.48,42.78 v1(26.23,42.78) ; v1(35.23,33.78) 34.48,33.78 REF**418.1 REF**460.2 ; v1(17.23,51.78) 16.48,51.78 REF**286.1 REF**328.2 ; v1(53.22,15.91) 53.22,15.86 53.22,15.86 52.39,15.86 REF**550.1 REF**553.1 55.99,16.53 57.56,18.1 REF**554.2 REF**556.1 59.15,19.53 REF**9999.2 ; v1(47.23,21.78) 46.48,21.78 REF**506.1 REF**548.2 ; REF**9999.2 REF**517.1 62.15,22.53 REF**518.2 REF**520.1 ; REF**9999.2 60.73,22.56 ; v1(50.23,18.78) 49.48,18.78 REF**551.1 REF**549.2 ; REF**241.2 REF**243.1 7.48,60.78 8.71,60.78 8.77,60.83 v1(8.92,60.83) ; REF**548.2 45.73,22.56 REF**548.2 ; REF**504.2 39.73,28.56 REF**504.2 ; REF**504.2 REF**462.1 40.48,27.78 v1(41.23,27.78) ; REF**460.2 33.73,34.56 REF**460.2 ; REF**505.2 REF**507.1 43.48,24.78 v1(44.23,24.78) ; REF**328.2 15.73,52.56 REF**328.2 ; REF**329.2 REF**331.1 19.48,48.78 v1(20.23,48.78) ; REF**416.2 27.73,40.56 REF**416.2 ; REF**461.2 REF**463.1 37.48,30.78 v1(38.23,30.78) ; v1(14.23,54.78) 13.48,54.78 REF**287.1 REF**285.2
  Bottom w0.15: v1(47.23,21.78) 46.8,21.35 46.8,19.49 49.86,16.42 49.86,16.4 50.2,16.06 50.23,16.06 50.82,15.46 50.82,10.02 v1(50.1,9.3)
  Bottom w0.2: v1(53.22,15.91) 53,15.91 52.93,15.99 52.93,16.08 v1(50.23,18.78) v1(47.23,21.78) v1(44.23,24.78) v1(41.23,27.78) v1(38.23,30.78) v1(35.23,33.78) v1(32.23,36.78) v1(29.23,39.78) v1(26.23,42.78) v1(23.23,45.78) v1(20.23,48.78) v1(17.23,51.78) v1(14.23,54.78) v1(11.23,57.78) 8.98,60.03 8.98,60.78 v1(8.92,60.83)
LED_25: length 154.4
  Top w0.15: v1(50.05,10.1) 49.84,10.1 49.36,10.58 48.15,10.58 ; v1(44.48,27.66) 44.8,27.34 44.8,23.89 44.57,23.66 v1(44.23,23.66) ; v1(44.32,29.66) 44.48,29.66 44.82,30.01 44.82,35.11 44.78,35.16
  Top w0.2: REF**539.2 REF**497.1 32.15,22.53 REF**498.2 REF**500.1 35.15,25.53 REF**503.2 ; REF**539.2 30.73,22.56 ; REF**539.2 29.15,19.53 REF**536.1 REF**534.2 26.15,16.53 REF**533.1 REF**530.1 22.48,15.78 v1(23.23,15.78) ; REF**431.2 REF**389.1 50.15,40.53 REF**390.2 REF**392.1 53.15,43.53 REF**395.2 ; REF**431.2 48.73,40.56 ; REF**431.2 47.15,37.53 REF**428.1 REF**426.2 44.15,34.53 REF**425.1 REF**467.2 ; REF**528.2 15.73,22.56 REF**528.2 ; REF**528.2 REF**486.1 16.48,21.78 v1(17.23,21.78) ; REF**484.2 REF**442.1 10.48,27.78 v1(11.23,27.78) ; REF**484.2 9.73,28.56 REF**484.2 ; REF**395.2 REF**353.1 56.15,46.53 REF**354.2 REF**356.1 59.15,49.53 REF**359.2 ; REF**395.2 54.73,46.56 ; v1(8.89,30.75) 8.86,30.78 7.48,30.78 REF**443.1 REF**441.2 ; REF**359.2 60.73,52.56 ; REF**359.2 REF**317.1 62.15,52.53 REF**318.2 REF**320.1 ; v1(14.23,24.78) 13.48,24.78 REF**487.1 REF**485.2 ; REF**467.2 42.73,34.56 ; REF**467.2 41.15,31.53 REF**464.1 REF**462.2 38.15,28.53 REF**461.1 REF**503.2 ; REF**529.2 REF**531.1 19.48,18.78 v1(20.23,18.78) ; REF**503.2 36.73,28.56
  Bottom w0.15: 44.48,23.66 v1(44.23,23.66) 44.37,23.66 44.77,23.26 44.77,19.66 50.43,14.01 50.43,10.48 v1(50.05,10.1) ; v1(44.48,27.66) 44.48,29.51 v1(44.32,29.66)
  Bottom w0.2: v1(8.89,30.75) 8.89,30.11 v1(11.23,27.78) v1(14.23,24.78) v1(17.23,21.78) v1(20.23,18.78) v1(23.23,15.78)
LED_26: length 145.9
  Top w0.15: 43.57,16.53 43.55,16.5 43.55,15.45 42.9,14.8 42.9,14.65 ; 42.9,14.65 42.9,14.23 43.07,14.06 U3.46 ; 42.9,14.65 42.9,14.71 ; 39.68,16.57 REF**542.1
  Top w0.2: REF**496.2 REF**454.1 28.48,27.78 v1(29.23,27.78) ; REF**496.2 27.73,28.56 REF**496.2 ; REF**364.2 9.73,46.56 REF**364.2 ; REF**364.2 REF**322.1 10.48,45.78 v1(11.23,45.78) ; REF**551.2 REF**509.1 50.15,22.53 REF**510.2 REF**512.1 53.15,25.53 REF**515.2 ; REF**551.2 48.73,22.56 ; REF**551.2 47.15,19.53 REF**548.1 REF**546.2 44.15,16.53 REF**545.1 REF**542.1 40.48,15.78 v1(41.23,15.78) ; REF**479.2 REF**437.1 62.15,34.53 REF**438.2 REF**440.1 ; REF**479.2 60.73,34.56 ; REF**479.2 59.15,31.53 REF**476.1 REF**474.2 56.15,28.53 REF**473.1 REF**515.2 ; REF**540.2 33.73,22.56 REF**540.2 ; REF**540.2 REF**498.1 34.48,21.78 v1(35.23,21.78) ; REF**515.2 54.73,28.56 ; v1(32.23,24.78) 31.48,24.78 REF**499.1 REF**497.2 ; REF**408.2 REF**366.1 16.48,39.78 v1(17.23,39.78) ; REF**408.2 15.73,40.56 REF**408.2 ; v1(14.23,42.78) 13.48,42.78 REF**367.1 REF**365.2 ; REF**409.2 REF**411.1 19.48,36.78 v1(20.23,36.78) ; v1(26.23,30.78) 25.48,30.78 REF**455.1 REF**453.2 ; REF**541.2 REF**543.1 37.48,18.78 v1(38.23,18.78) ; REF**452.2 REF**410.1 22.48,33.78 v1(23.23,33.78) ; REF**452.2 21.73,34.56 REF**452.2 ; REF**321.2 REF**323.1 7.48,48.78 8.88,48.78 v1(8.93,48.82)
  Bottom w0.2: v1(8.93,48.82) 8.93,48.07 v1(11.23,45.78) v1(14.23,42.78) v1(17.23,39.78) v1(20.23,36.78) v1(23.23,33.78) v1(26.23,30.78) v1(29.23,27.78) v1(32.23,24.78) v1(35.23,21.78) v1(38.23,18.78) v1(41.23,15.78)
